# Altium PCB DSP_FPGA.PcbDoc (part 2 of 7)
Units mm, origin at the board's own origin, x right, y up, seen from the top; angles counter-clockwise.
Board outline 243.59 x 170.13 mm, 2 copper layers (Top Layer, Bottom Layer); 649 components, 606 nets, 2327 pads, 2753 vias.
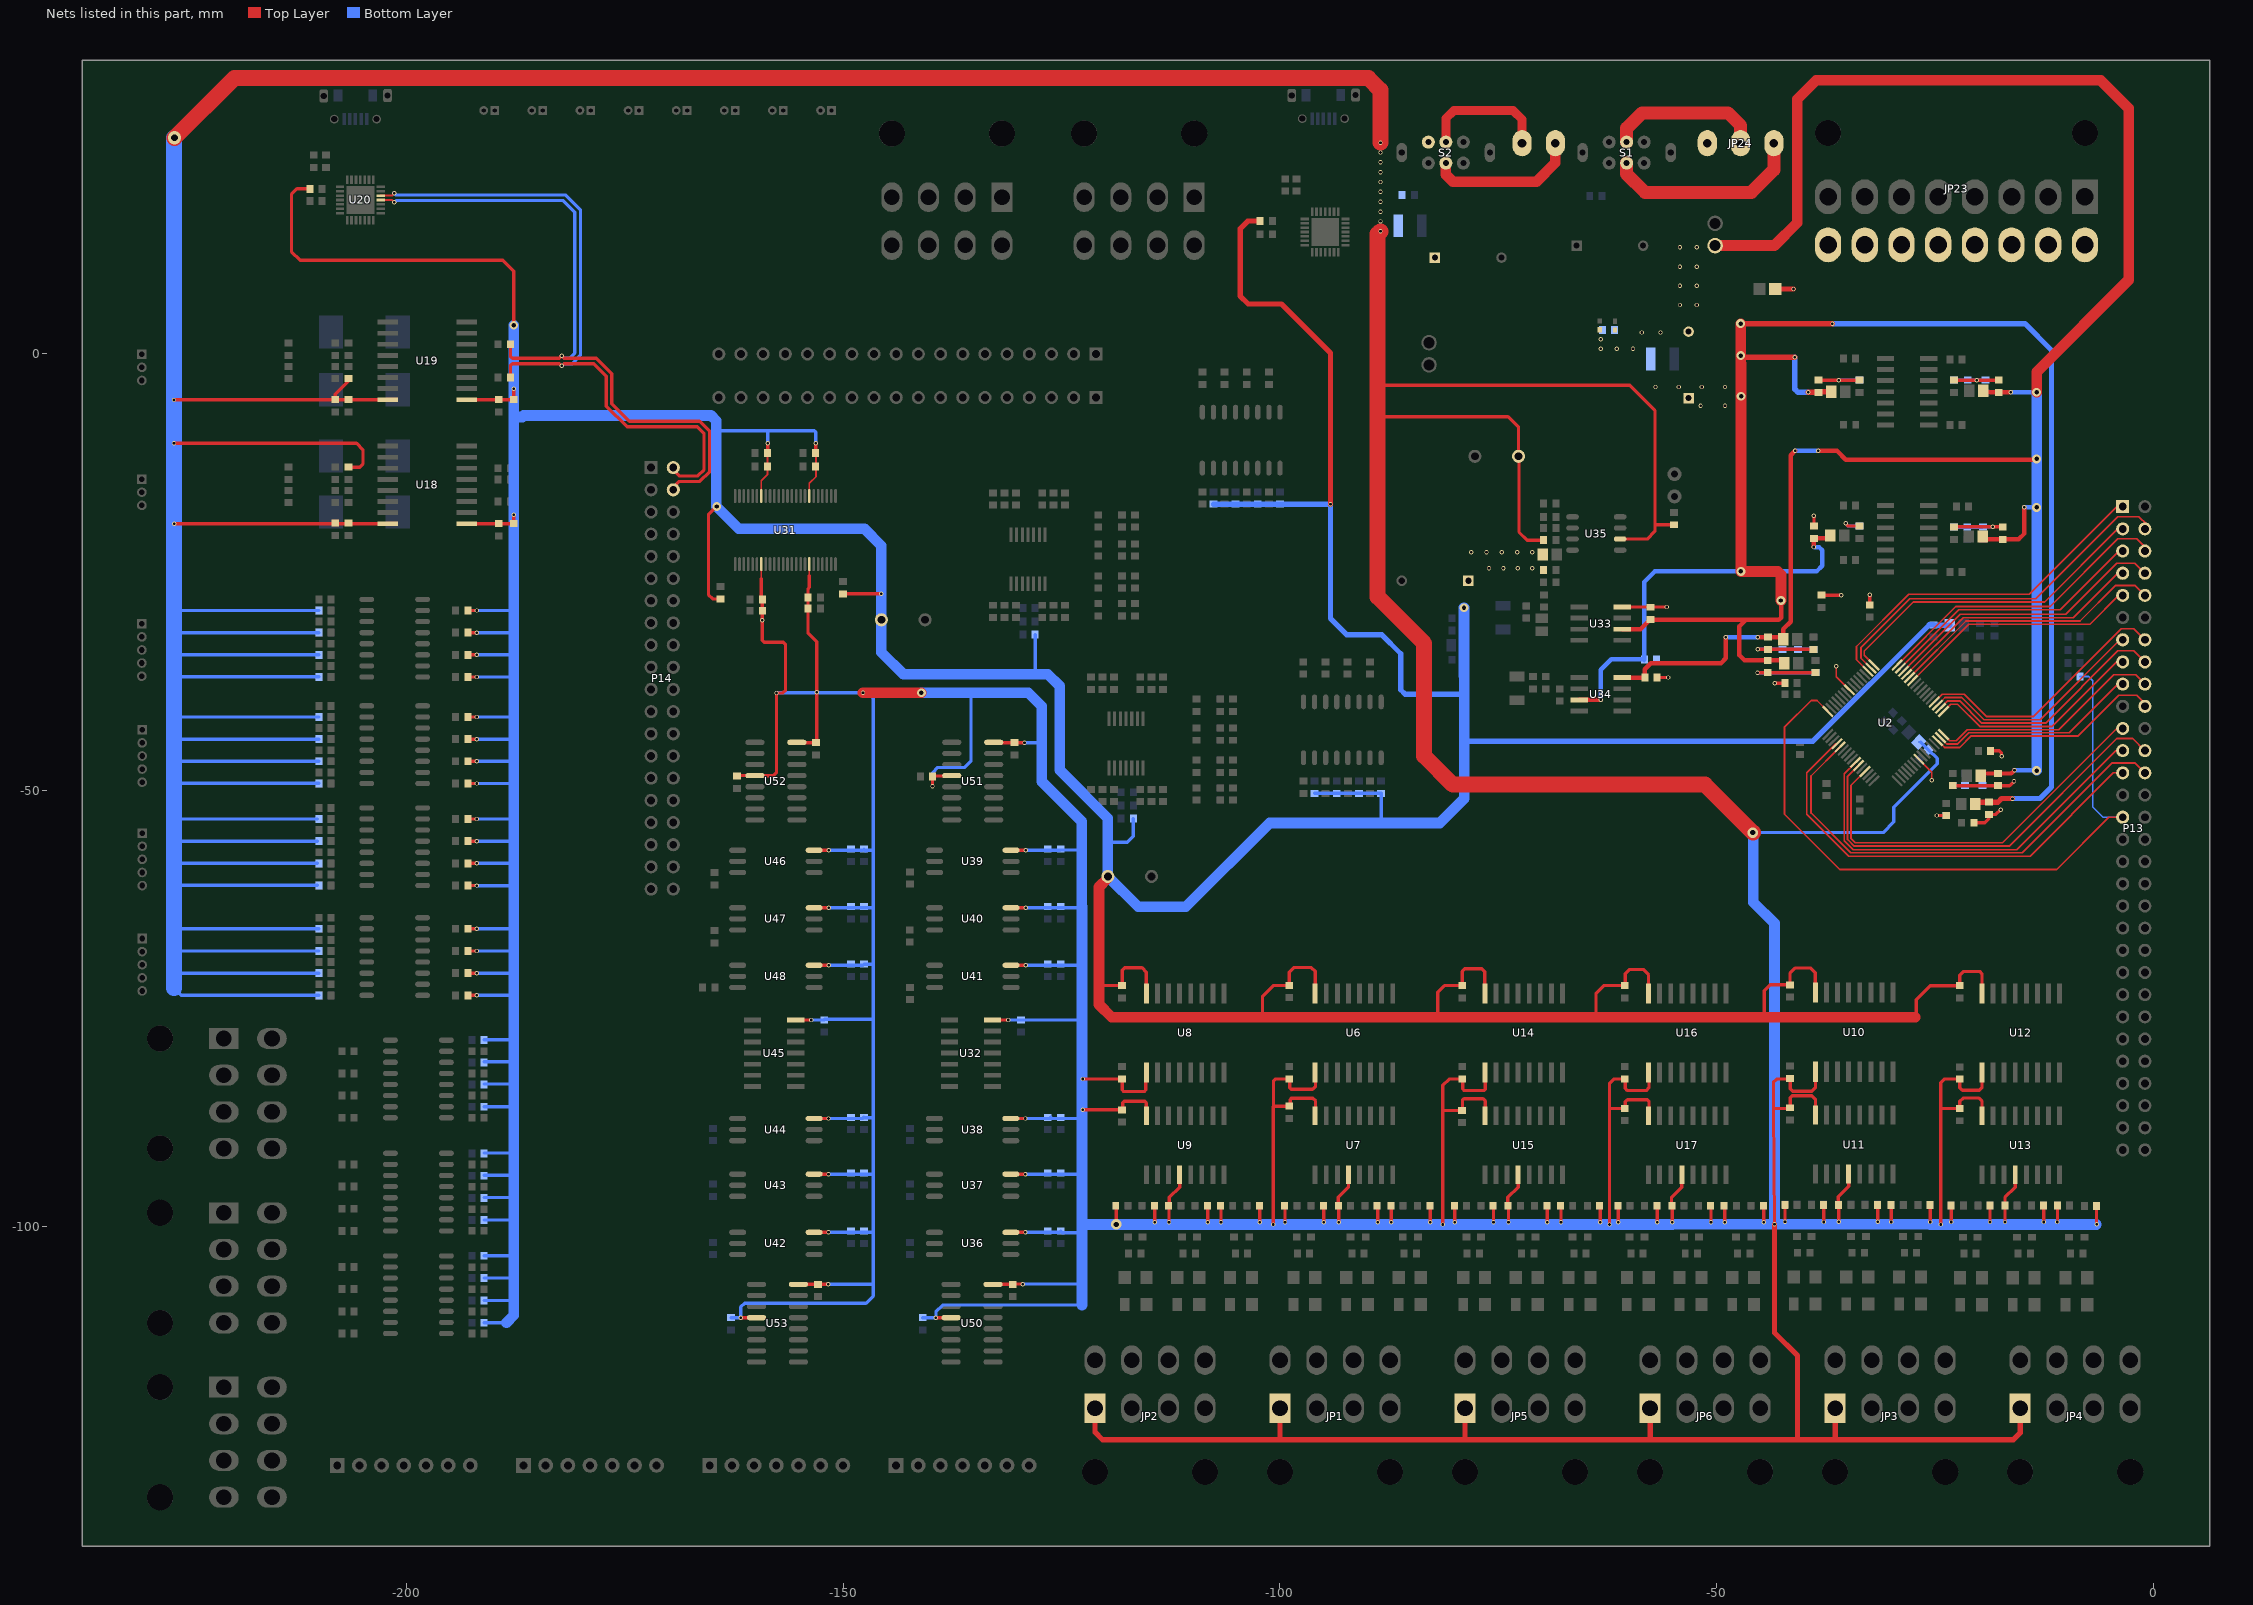
[diagram p2: the nets of this part, all layers, seen from the top]

## Footprints (in the part's own frame and the unit in brackets; to place one, negate y for a bottom-side part, rotate by r counter-clockwise, add the part's x,y. Pads: shape width x height; smd on the part's side, far side on the other; paste and mask are expansions set on the pad) (continued)
C0805 [mm] "Chip Capacitor, Body 2.0x1.3mm, IPC High Density"
  rect 1.1x1.4 smd: 1(-0.75,0) 2(0.75,0)
  body extent -1.1,-0.72 1.1,0.72, height 1.4
C1206 [mm] "Chip Capacitor, Body 3.2x1.6mm, IPC High Density"
  rect 1.1x1.7 smd: 1(-1.35,0) 2(1.35,0)
  silkscreen extent -0.4,-0.75 0.4,0.75, body extent -1.7,-0.9 1.7,0.9, height 1.3
C2512 [mm] "Chip Capacitor, Body 2.54x1.27mm, IPC High Density"
  rect 1.4x1.4 smd: 1(-0.9,0) 2(0.9,0)
  silkscreen extent -1.9,-0.6 -1.9,0.6, body extent -1.45,-0.82 1.45,0.82, height 1.3
CD74HC14_SOIC [mil]
  rect 78x22 smd: 1(-97,150) 2(-97,100) 3(-97,50) 4(-97,0) 5(-97,-50) 6(-97,-100) 7(-97,-150) 8(97,-150) 9(97,-100) 10(97,-50) 11(97,0) 12(97,50) 13(97,100) 14(97,150)
  silkscreen extent -51,-172 156,172, body extent -122,-172 122,172, height 69
CONNECTOR5569R [mm] "长：4.25mm，宽：1.8mm，高：3.3mm"
  rect 2.4x3.4 hole 1.8: 1(0,0)
  oval 2.4x3.4 hole 1.8: 2(0,5.5) 3(4.2,0) 4(4.2,5.5) 5(8.4,0) 6(8.4,5.5) 7(12.6,0) 8(12.6,5.5)
  round 3 hole 3 unplated: ""(0,-7.3) ""(12.6,-7.3)
  silkscreen extent -2.8,-14.08 15.4,8.7, body extent -2.82,-13.84 15.58,6.09, height 11.4
CONNECTOR558916PIN [mm] "长：9.0，宽：4.5，高：3.6"
  rect 3x4 hole 2: 1(0,0)
  oval 3x4 hole 2: 2(0,5.5) 3(4.2,0) 4(4.2,5.5) 5(8.4,0) 6(8.4,5.5) 7(12.6,0) 8(12.6,5.5) 9(16.8,0) 10(16.8,5.5) 11(21,0) 12(21,5.5) 13(25.2,0) 14(25.2,5.5) 15(29.4,0) 16(29.4,5.5)
  round 3 hole 3 unplated: ""(0,-7.3) ""(29.4,-7.3)
  silkscreen extent -2.8,-14.29 32.2,8.75, body extent -2.8,-13.88 32.4,6.05, height 11.4
CP2102_QFN28 [mil]
  rect 38x12 smd mask+5: 1(-91.5,59.06) 2(-91.5,39.37) 3(-91.5,19.69) 4(-91.5,0) 5(-91.5,-19.69) 6(-91.5,-39.37) 7(-91.5,-59.06) 15(91.5,-59.06) 16(91.5,-39.37) 17(91.5,-19.69) 18(91.5,0) 19(91.5,19.69) 20(91.5,39.37) 21(91.5,59.06)
  rect 12x38 smd mask+5: 8(-59.06,-91.5) 9(-39.37,-91.5) 10(-19.69,-91.5) 11(0,-91.5) 12(19.69,-91.5) 13(39.37,-91.5) 14(59.06,-91.5) 22(59.06,91.5) 23(39.37,91.5) 24(19.69,91.5) 25(0,91.5) 26(-19.69,91.5) 27(-39.37,91.5) 28(-59.06,91.5)
  rect 125.98x125.98 smd mask-65.5: 29(0,0)
  silkscreen extent -99,-130 99,99, body extent -101,-101 101,101, height 37
D016_N [mm] "SOIC, 16-Leads, Body 9.9x3.9mm, Pitch 1.27mm, IPC Medium Density"
  oval 2.2x0.6 smd: 1(-2.4,4.445) 2(-2.4,3.175) 3(-2.4,1.905) 4(-2.4,0.635) 5(-2.4,-0.635) 6(-2.4,-1.905) 7(-2.4,-3.175) 8(-2.4,-4.445) 9(2.4,-4.445) 10(2.4,-3.175) 11(2.4,-1.905) 12(2.4,-0.635) 13(2.4,0.635) 14(2.4,1.905) 15(2.4,3.175) 16(2.4,4.445)
  silkscreen extent -2.52,-5 0.9,5.42, body extent -2,-5 2,5, height 1.75
DAC8728 [mil]
  rect 65.5x11 smd: 1(46.75,413.64) 2(46.75,393.95) 3(46.75,374.27) 4(46.75,354.58) 5(46.75,334.9) 6(46.75,315.21) 7(46.75,295.53) 8(46.75,275.84) 9(46.75,256.16) 10(46.75,236.47) 11(46.75,216.79) 12(46.75,197.1) 13(46.75,177.42) 14(46.75,157.73) 15(46.75,138.05) 16(46.75,118.36) 33(489.25,118.36) 34(489.25,138.05) 35(489.25,157.73) 36(489.25,177.42) 37(489.25,197.1) 38(489.25,216.79) 39(489.25,236.47) 40(489.25,256.16) 41(489.25,275.84) 42(489.25,295.53) 43(489.25,315.21) 44(489.25,334.9) 45(489.25,354.58) 46(489.25,374.27) 47(489.25,393.95) 48(489.25,413.64)
  rect 11x65.5 smd: 17(120.36,44.75) 18(140.05,44.75) 19(159.73,44.75) 20(179.42,44.75) 21(199.1,44.75) 22(218.79,44.75) 23(238.47,44.75) 24(258.16,44.75) 25(277.84,44.75) 26(297.53,44.75) 27(317.21,44.75) 28(336.9,44.75) 29(356.58,44.75) 30(376.27,44.75) 31(395.95,44.75) 32(415.64,44.75) 49(415.64,487.25) 50(395.95,487.25) 51(376.27,487.25) 52(356.58,487.25) 53(336.9,487.25) 54(317.21,487.25) 55(297.53,487.25) 56(277.84,487.25) 57(258.16,487.25) 58(238.47,487.25) 59(218.79,487.25) 60(199.1,487.25) 61(179.42,487.25) 62(159.73,487.25) 63(140.05,487.25) 64(120.36,487.25)
  silkscreen extent -6,-8 542,540, body extent 28,26 508,506, height 47
DIODE_SMC [mil] "Diode; 2 Leads"
  rect 110x150 smd: 1(-150,0) 2(150,0)
  silkscreen extent -130,-120 150,120
HDR1X18 [mm] "Connector; Header; 18 Position"
  rect 1.5x1.5 hole 0.9: 1(0,0)
  round 1.5 hole 0.9: 2(2.54,0) 3(5.08,0) 4(7.62,0) 5(10.16,0) 6(12.7,0) 7(15.24,0) 8(17.78,0) 9(20.32,0) 10(22.86,0) 11(25.4,0) 12(27.94,0) 13(30.48,0) 14(33.02,0) 15(35.56,0) 16(38.1,0) 17(40.64,0) 18(43.18,0)
  silkscreen extent -1.27,-1.27 44.45,1.27
HDR2X20 [mm] "Connector; Header; 20x2 Position"
  rect 1.5x1.5 hole 0.9: 1(0,0)
  round 1.5 hole 0.9: 2(0,2.54) 3(2.54,0) 4(2.54,2.54) 5(5.08,0) 6(5.08,2.54) 7(7.62,0) 8(7.62,2.54) 9(10.16,0) 10(10.16,2.54) 11(12.7,0) 12(12.7,2.54) 13(15.24,0) 14(15.24,2.54) 15(17.78,0) 16(17.78,2.54) 17(20.32,0) 18(20.32,2.54) 19(22.86,0) 20(22.86,2.54) 21(25.4,0) 22(25.4,2.54) 23(27.94,0) 24(27.94,2.54) 25(30.48,0) 26(30.48,2.54) 27(33.02,0) 28(33.02,2.54) 29(35.56,0) 30(35.56,2.54) 31(38.1,0) 32(38.1,2.54) 33(40.64,0) 34(40.64,2.54) 35(43.18,0) 36(43.18,2.54) 37(45.72,0) 38(45.72,2.54) 39(48.26,0) 40(48.26,2.54)
  silkscreen extent -1.27,-1.27 49.53,3.81
HDR2X30 [mm] "Connector; Header; 30x2 Position"
  rect 1.5x1.5 hole 0.9: 1(0,0)
  round 1.5 hole 0.9: 2(0,2.54) 3(2.54,0) 4(2.54,2.54) 5(5.08,0) 6(5.08,2.54) 7(7.62,0) 8(7.62,2.54) 9(10.16,0) 10(10.16,2.54) 11(12.7,0) 12(12.7,2.54) 13(15.24,0) 14(15.24,2.54) 15(17.78,0) 16(17.78,2.54) 17(20.32,0) 18(20.32,2.54) 19(22.86,0) 20(22.86,2.54) 21(25.4,0) 22(25.4,2.54) 23(27.94,0) 24(27.94,2.54) 25(30.48,0) 26(30.48,2.54) 27(33.02,0) 28(33.02,2.54) 29(35.56,0) 30(35.56,2.54) 31(38.1,0) 32(38.1,2.54) 33(40.64,0) 34(40.64,2.54) 35(43.18,0) 36(43.18,2.54) 37(45.72,0) 38(45.72,2.54) 39(48.26,0) 40(48.26,2.54) 41(50.8,0) 42(50.8,2.54) 43(53.34,0) 44(53.34,2.54) 45(55.88,0) 46(55.88,2.54) 47(58.42,0) 48(58.42,2.54) 49(60.96,0) 50(60.96,2.54) 51(63.5,0) 52(63.5,2.54) 53(66.04,0) 54(66.04,2.54) 55(68.58,0) 56(68.58,2.54) 57(71.12,0) 58(71.12,2.54) 59(73.66,0) 60(73.66,2.54)
  silkscreen extent -1.27,-1.27 75.06,3.81
ISO1050_SOIC [mil]
  rect 91x22 smd: 1(-178,175) 2(-178,125) 3(-178,75) 4(-178,25) 5(-178,-25) 6(-178,-75) 7(-178,-125) 8(-178,-175) 9(178,-175) 10(178,-125) 11(178,-75) 12(178,-25) 13(178,25) 14(178,75) 15(178,125) 16(178,175)
  silkscreen extent -150,-207 244,207, body extent -210,-207 210,207, height 104
ISO3082_SOIC [mil]
  rect 91x22 smd: 1(-178,175) 2(-178,125) 3(-178,75) 4(-178,25) 5(-178,-25) 6(-178,-75) 7(-178,-125) 8(-178,-175) 9(178,-175) 10(178,-125) 11(178,-75) 12(178,-25) 13(178,25) 14(178,75) 15(178,125) 16(178,175)
  silkscreen extent -150,-207 244,207, body extent -210,-207 210,207, height 104
KF128-3.81-2P [mm] "螺钉式接线端子，脚距3.81mm"
  oval 2.2x3 hole 1: 1(-1.905,0) 2(1.905,0)
  silkscreen extent -4.32,-4.04 3.81,3.63, body extent -4.31,-3.9 3.81,3.5, height 8.55
KF128-3.81-3P [mm] "螺钉式接线端子，脚距3.81mm"
  oval 2.2x3 hole 1: 1(-3.81,0) 2(0,0) 3(3.81,0)
  silkscreen extent -6.22,-4.04 5.74,3.63, body extent -6.21,-3.9 5.72,3.5, height 8.55
LED-0 [mil] "LED; 2 Leads"
  round 70 hole 50: 1(50,0) 2(-50,0)
  silkscreen extent -120,-400 120,150
LED-1 [mm] "LED; 2 Leads"
  round 1.6 hole 0.8: 1(0,1.27) 2(0,-1.27)
  silkscreen extent -2,-2.2 6.95,2.2
MICRO-USB-B [mm] "MICRO-USB-B"
  rect 0.4x1.4 smd: 1(6.519,1.27) 2(5.869,1.27) 3(5.219,1.27) 4(4.569,1.27) 5(3.919,1.27)
  rrect50% 1x1.5 hole 0.7 slot 1.1 at 90 deg: ""(1.543,3.971) ""(8.844,3.92)
  round 1 hole 0.7: ""(2.794,1.27) ""(7.644,1.27)
  rect 1x1.4 smd: ""(3.226,3.988) ""(7.214,3.962)
  silkscreen extent 0.64,0.27 9.78,5.36, body extent 1.11,1.12 9.31,6.55, height 2.73
"MX 1.25-WI-2P" [mm] "长：4.25mm，宽：1.8mm，高：3.3mm"
  rect 1x1 hole 0.5: 1(-0.625,0)
  round 1 hole 0.5: 2(0.625,0)
  silkscreen extent -2.24,-4.19 2.24,0.85, body extent -2.12,-4.05 2.12,0.85, height 3.35
OPA277 [mil] "SOIC, 16-Leads, Body 9.9x3.9mm, Pitch 1.27mm, IPC Medium Density"
  rect 78x22 smd: 1(-97,75) 2(-97,25) 3(-97,-25) 4(-97,-75) 5(97,-75) 6(97,-25) 7(97,25) 8(97,75)
  silkscreen extent -54,-98 54,98, body extent -122,-99 122,99, height 69
OPA4277_SOIC [mil]
  rect 78x22 smd: 1(-97,150) 2(-97,100) 3(-97,50) 4(-97,0) 5(-97,-50) 6(-97,-100) 7(-97,-150) 8(97,-150) 9(97,-100) 10(97,-50) 11(97,0) 12(97,50) 13(97,100) 14(97,150)
  silkscreen extent -51,-172 156,172, body extent -122,-172 122,172, height 69
OPA4376_TSSOP [mil]
  rect 66x14 smd: 1(-111,76.77) 2(-111,51.18) 3(-111,25.59) 4(-111,0) 5(-111,-25.59) 6(-111,-51.18) 7(-111,-76.77) 8(111,-76.77) 9(111,-51.18) 10(111,-25.59) 11(111,0) 12(111,25.59) 13(111,51.18) 14(111,76.77)
  silkscreen extent -88,-100 164,100, body extent -130,-101 130,101, height 47
RB5-10.5 [mm] "Capacitor (Radial); 2 Leads"
  round 1.5 hole 0.9: 1(-2.5,0) 2(2.5,0)
  silkscreen extent -5.25,-5.25 5.25,5.25
RB7.6-15 [mm] "Polarized Capacitor (Radial); 2 Leads"
  rect 1.2x1.2 hole 0.7: 1(3.81,0)
  round 1.2 hole 0.7: 2(-3.81,0)
  silkscreen extent -7.62,-7.62 7.62,7.62
REF02_D_8 [mil]
  rect 78x22 smd: 1(-97,75) 2(-97,25) 3(-97,-25) 4(-97,-75) 5(97,-75) 6(97,-25) 7(97,25) 8(97,75)
  silkscreen extent -54,-98 54,98, body extent -122,-99 122,99, height 69
SK-22D02 [mm] "10.4x6.1x4.2mm(长宽高)，脚距：2mm"
  oval 1.2x2.2 hole 0.7 slot 1.5 at 90 deg: 0(-5.05,0) 0(5.05,0)
  round 1.5 hole 0.7: 1(-2,-1.2) 2(0,-1.2) 3(2,-1.2) 4(2,1.2) 5(0,1.2) 6(-2,1.2)
  silkscreen extent -5.33,-8 5.33,3.18, body extent -5.27,-7.96 5.25,3.05, height 5.59
SN74LVC16T245_TSSOP [mm]
  oval 1.6x0.3 smd paste+0 mask+0.051: 1(-3.9,5.75) 2(-3.9,5.25) 3(-3.9,4.75) 4(-3.9,4.25) 5(-3.9,3.75) 6(-3.9,3.25) 7(-3.9,2.75) 8(-3.9,2.25) 9(-3.9,1.75) 10(-3.9,1.25) 11(-3.9,0.75) 12(-3.9,0.25) 13(-3.9,-0.25) 14(-3.9,-0.75) 15(-3.9,-1.25) 16(-3.9,-1.75) 17(-3.9,-2.25) 18(-3.9,-2.75) 19(-3.9,-3.25) 20(-3.9,-3.75) 21(-3.9,-4.25) 22(-3.9,-4.75) 23(-3.9,-5.25) 24(-3.9,-5.75) 25(3.9,-5.75) 26(3.9,-5.25) 27(3.9,-4.75) 28(3.9,-4.25) 29(3.9,-3.75) 30(3.9,-3.25) 31(3.9,-2.75) 32(3.9,-2.25) 33(3.9,-1.75) 34(3.9,-1.25) 35(3.9,-0.75) 36(3.9,-0.25) 37(3.9,0.25) 38(3.9,0.75) 39(3.9,1.25) 40(3.9,1.75) 41(3.9,2.25) 42(3.9,2.75) 43(3.9,3.25) 44(3.9,3.75) 45(3.9,4.25) 46(3.9,4.75) 47(3.9,5.25) 48(3.9,5.75)
  silkscreen extent -4.5,-6.3 2.25,6.3, body extent -4.09,-6.25 4.04,6.25, height 1.1
TLP284-4 [mm]
  oval 1.7x0.6 smd: 1(-3.225,4.47) 2(-3.225,3.2) 3(-3.225,1.93) 4(-3.225,0.66) 5(-3.225,-0.61) 6(-3.225,-1.88) 7(-3.225,-3.15) 8(-3.225,-4.42) 9(3.175,-4.42) 10(3.175,-3.15) 11(3.175,-1.88) 12(3.175,-0.61) 13(3.175,0.66) 14(3.175,1.93) 15(3.175,3.2) 16(3.175,4.47)
  silkscreen extent -3.35,-5.27 1.92,5.45, body extent -2.38,-5.27 2.32,5.33, height 2.1
XH2.54-WI-7P [mm] "接插件，7P"
  rect 1.7x1.7 hole 0.9: 1(-7.62,0)
  round 1.7 hole 0.9: 2(-5.08,0) 3(-2.54,0) 4(0,0) 5(2.54,0) 6(5.08,0) 7(7.62,0)
  silkscreen extent -10.34,-7.53 10.16,0, body extent -10.12,-7.35 10.12,0.35, height 5.75
ZH1.5-WI-3P [mm] "长：6.0，宽：4.5，高：3.6"
  rect 1.1x1.1 hole 0.65: 1(-1.5,0)
  round 1.1 hole 0.65: 2(0,0) 3(1.5,0)
  silkscreen extent -3,-4.75 3,-0.25, body extent -3,-4.75 3,0.25, height 3.65
ZH1.5-WI-5P [mm] "长：9.0，宽：4.5，高：3.6"
  rect 1.1x1.1 hole 0.65: 1(-3,0)
  round 1.1 hole 0.65: 2(-1.5,0) 3(0,0) 4(1.5,0) 5(3,0)
  silkscreen extent -4.5,-4.75 4.5,-0.25, body extent -4.5,-4.75 4.5,0.25, height 3.65

## Part data
C1 C2 C3 C4 C5 C6 C7 C8 C9 C10 C11 C12 C13 C14 C15 C16 C17 C18 C19 C20 C21 C22 C23 C24 C25 C26 C27 C28 C29 C30 C31 C32 C33 C34 C35 C36 C37 C38 C39 C40 C41 C42 C43 C44 C45 C46 C47 C48 C49 C50 C51 C52 C53 C54 C55 C56 C57 C58 C59 C60 C61 C62 C63 C64 C65 C66 C67 C68 C69 C70 C71 C72 C73 C74 C75 C76 C77 C78 C79 C80 C81 C82 C83 C84 C85 C86 C87 C88 C89 C90 C91 C92 C93 C94 C95 C96 C97 C98 C99 C100 C101 C102 C103 C105 C106 C107 C108 C109 C110 C111 C112 C113 C114 C115 C116 C117 C118 C119 C120 C121 C122 C123 C124 C125 C126 C127 C128 C129 C130 C131 C132 C133 C134 C135 C136 C137 C140 C141 C143 C150 C151 C152 C153 C154 C155 C156 C157 C158 C160 C161 C162 C163 C164 C166 C167 C168 C169 C170 C171 C172 C173 C174 C175 C176 C177 C178 C179 C180 C181 C182 C183 C184 C185 C186 C187 C191 C192 C193 C196 C198 C201 C203 C206 C207: "Capacitor", LatestRevisionDate=17-Jul-2002, LatestRevisionNote="Re-released for DXP Platform.", PackageDescription="Radial Cap, Thru-Hole; 2 Leads; 0.3 in Pin Spacing", PackageReference=RAD-0.3, Published=8-Jun-2000, Publisher="Altium Limited"
C104 U52: library part ADUM1410ARWZ
C138 C139 C142 C159 C165 C189 C190: "Polarized Capacitor (Radial)", Published=8-Jun-2000, Publisher="Altium Limited"
  C138 C139 C142: LatestRevisionDate=29-May-2009, LatestRevisionNote="IPC-7351 Footprint Added.", PackageDescription="Chip Capacitor", PackageReference=C0805
  C159 C165 C189 C190: LatestRevisionDate=17-Jul-2002, LatestRevisionNote="Re-released for DXP Platform.", PackageDescription="Polarized Capacitor (Radial); 2 Leads", PackageReference=RB7.6-15
D1 D2 D3 D4: library part MMSZ56T1, "Surface Mount Silicon Zener Diode", ComponentLink1Description="Manufacturer Link", ComponentLink1URL=http://www.onsemi.com/site/products/landing?taxonomyID=194, ComponentLink2Description=Datasheet, ComponentLink2URL=http://www.onsemi.com/pub/Collateral/MMSZ2V4T1-D.PDF, LatestRevisionDate=19-Mar-2004, LatestRevisionNote="Silkscreen size reduced; PCB footprint pad transposed.", PackageDescription="SOD-123; 2 Leads; Body 2.7 x 1.6 mm, (LxW)", PackageReference=425, PackageVersion=1988, Published=29-Sep-2000, Publisher="Altium Limited"
D5: library part LED3, "Typical BLUE SiC LED", DatasheetVersion=16-Apr-2002, LatestRevisionDate=17-Dec-2003, LatestRevisionNote="PCB Footprint replaced.", PackageDescription="SM LED; 2 C-Bend Leads; Body 3.5 x 2.8 x 1.9 mm, inc leads (LxWxH typ)", PackageReference=3.5X2.8X1.9, PackageVersion=16-Apr-2002, Published=8-Jun-2000, Publisher="Altium Limited"
D6 D7: "Typical INFRARED GaAs LED", LatestRevisionDate=08-Jul-2005, LatestRevisionNote="Mech Layer 1 removed.", PackageDescription="LED; 2 Leads", PackageReference=LED-0, Published=8-Jun-2000, Publisher="Altium Limited"
JP1 JP2 JP3 JP4 JP5 JP6: "4*2P接插件"
JP7 JP8 JP9 JP10: library part "Header 5", "5P接插件"
JP11 JP12 JP24: library part "Header 3", "3P接插件"
JP13 JP14 JP25 JP26: library part "Header 7", "7P接插件"
JP15 JP16 JP17 JP18 JP19 JP20 JP21 JP22 JP27: library part "Header 2", "2P接插件"
JP23: "8*2P接插件"
L24 R120 R121 R122 U14 U15: library part Cap, "Capacitor", LatestRevisionDate=17-Jul-2002, LatestRevisionNote="Re-released for DXP Platform.", PackageDescription="Radial Cap, Thru-Hole; 2 Leads; 0.3 in Pin Spacing", PackageReference=RAD-0.3, Published=8-Jun-2000, Publisher="Altium Limited"
L33: library part ACM3225-601-2P
P11 P12: "Header, 18-Pin", LatestRevisionDate=17-Jul-2002, LatestRevisionNote="Re-released for DXP Platform.", Publisher="Altium Limited"
P13: "Header, 30-Pin, Dual row", LatestRevisionDate=17-Jul-2002, LatestRevisionNote="Re-released for DXP Platform.", Publisher="Altium Limited"
P14: "Header, 20-Pin, Dual row", LatestRevisionDate=17-Jul-2002, LatestRevisionNote="Re-released for DXP Platform.", Publisher="Altium Limited"
P17 P22 P26 P31 P33: "Header, 8-Pin", LatestRevisionDate=17-Jul-2002, LatestRevisionNote="Re-released for DXP Platform.", Publisher="Altium Limited"
R1 R2 R3 R4 R5 R6 R7 R8 R9 R10 R11 R12 R13 R14 R15 R16 R17 R18 R19 R20 R21 R22 R23 R24 R25 R26 R27 R28 R29 R30 R31 R32 R33 R34 R35 R36 R37 R38 R39 R40 R41 R42 R43 R44 R45 R46 R47 R48 R49 R50 R51 R52 R53 R54 R55 R56 R57 R58 R59 R60 R61 R62 R63 R64 R65 R66 R67 R68 R69 R70 R71 R72 R73 R74 R75 R76 R77 R78 R79 R80 R81 R82 R83 R84 R85 R86 R87 R88 R89 R90 R91 R92 R93 R94 R95 R96 R97 R98 R99 R100 R101 R102 R103 R104 R105 R106 R107 R108 R109 R110 R111 R112 R113 R114 R115 R116 R117 R118 R119 R123 R124 R125 R126 R127 R128 R129 R130 R131 R132 R133 R134 R135 R136 R137 R138 R139 R140 R141 R142 R143 R144 R145 R146 R147 R148 R149 R150 R151 R152 R153 R154 R155 R156 R157 R158 R159 R160 R161 R162 R163 R164 R165 R166 R167 R168 R169 R170 R171 R172 R173 R174 R175 R176 R177 R178 R179 R180 R181 R182 R183 R184 R185 R186 R187 R188 R189 R190 R191 R192 R193 R194 R195 R196 R197 R198 R199 R200 R201 R202 R203 R204 R205 R206 R207 R208 R209 R210 R211 R212 R213 R214 R215 R216 R217 R218 R219 R220 R221 R222 R223 R224 R225 R226 R227 R228 R229 R230 R231 R232 R233 R234 R235 R236 R237 R238 R239 R240 R241 R242 R243 R244 R245 R246 R247 R248 R249 R250 R251 R252 R253 R254 R255 R256 R257 R258 R259 R260 R261 R262 R263 R264 R265 R266 R267 R268 R269 R270 R271 R272 R273 R274 R275 R276 R277 R278 R279 R280 R281 R282 R283 R284 R285 R286 R287 R288 R289 R290 R291 R295 R296 R297 R298 R299 R300 R301 R302 R303 R304 R305 R306 R307 R308 R309 R310 R311 R312 R313 R314 R315 R316 R317 R318 R319 R320 R321 R322 R323 R324 R325 R326 R327 R328 R329 R330: "Resistor", LatestRevisionDate=17-Jul-2002, LatestRevisionNote="Re-released for DXP Platform.", PackageDescription="Axial Device, Thru-Hole; 2 Leads; 0.3 in Pin Spacing", PackageReference=AXIAL-0.3, Published=8-Jun-2000, Publisher="Altium Limited"
S1 S2: library part SSW-2P, "2路波动开关"
U4 U5: Manufacturer="Texas Instruments", Manufacturer_Part_Number=opa4376_pw_14, PACKAGE_DESIGNATOR=PW, Datasheet_URL=http://www.ti.com/lit/gpn/OPA4376, FAMILY_NAME="LOW OFFSET VOLTAGE", GENERIC_PART_NUMBER=OPA4376, INDUSTRY_STD_PKG_TYPE=TSSOP, PIN_COUNT=14, RefDes=RefDes, Type=Type, Vendor="Texas Instruments"
U18: Manufacturer="Texas Instruments", Manufacturer_Part_Number=iso3082_dw_16, PACKAGE_DESIGNATOR=DW, Datasheet_URL=http://www.ti.com/lit/gpn/ISO3082, FAMILY_NAME=ISOLATOR, GENERIC_PART_NUMBER=ISO3082, INDUSTRY_STD_PKG_TYPE=SOIC, PIN_COUNT=16, RefDes=RefDes, Type=Type, Vendor="Texas Instruments"
U19: Manufacturer="Texas Instruments", Manufacturer_Part_Number=iso1050_dw_16, PACKAGE_DESIGNATOR=DW, Datasheet_URL=http://www.ti.com/lit/gpn/ISO1050, FAMILY_NAME=ISOLATOR, GENERIC_PART_NUMBER=ISO1050, INDUSTRY_STD_PKG_TYPE=SOIC, PIN_COUNT=16, RefDes=RefDes, Type=Type, Vendor="Texas Instruments"
U31: library part SN74LVC16T245_A
U32 U45: Manufacturer="Texas Instruments", PACKAGE_DESIGNATOR=D, Datasheet_URL=http://www.ti.com/lit/gpn/CD74HC14, FAMILY_NAME="INVERTING BUFFER/DRIVER", GENERIC_PART_NUMBER=CD74HC14, INDUSTRY_STD_PKG_TYPE=SOIC, PIN_COUNT=14, RefDes=RefDes, Type=Type
U33: Manufacturer="Texas Instruments", Manufacturer_Part_Number=ref02_d_8, PACKAGE_DESIGNATOR=D, Datasheet_URL=http://www.ti.com/lit/gpn/REF02, FAMILY_NAME="SERIES VOLTAGE REFERENCE", GENERIC_PART_NUMBER=REF02, INDUSTRY_STD_PKG_TYPE=SOIC, PIN_COUNT=8, RefDes=RefDes, Type=Type, Vendor="Texas Instruments"
U34: Manufacturer="Texas Instruments", Manufacturer_Part_Number=opa277_d_8, PACKAGE_DESIGNATOR=D, Datasheet_URL=http://www.ti.com/lit/gpn/OPA277, FAMILY_NAME="LOW OFFSET VOLTAGE", GENERIC_PART_NUMBER=OPA277, INDUSTRY_STD_PKG_TYPE=SOIC, PIN_COUNT=8, RefDes=RefDes, Type=Type, Vendor="Texas Instruments"
U50 U51: "Quadruple Differential Line Driver", Code_IPC=SOIC127P600-16, ComponentLink1Description="Manufacturer Link", ComponentLink1URL=http://www.ti.com/, ComponentLink2Description=Datasheet, ComponentLink2URL=http://www-s.ti.com/sc/ds/am26ls31.pdf, DatasheetVersion=May-1990, LatestRevisionDate=13-Apr-2006, LatestRevisionNote="IPC-7351 Footprint Added.", PackageDescription="16-Pin Small Outline Integrated Circuit 1.27 mm Pitch", PackageReference=D016, PackageVersion=Jan-1998, Published=15-May-2002, Publisher="Altium Limited"
U53: library part AM26LS32AC
L1 L2 L3 L4 L5 L6 L7 L8 L9 L10 L29 L30: Code_IEC=1005, Code_JEITA=0402, LatestRevisionDate=29-May-2009, LatestRevisionNote="IPC-7351 Footprint Added.", PackageDescription="Chip Inductor", PackageReference=0402-A, Published=8-Jun-2000, Publisher="Altium Limited"
U20 U21: MFG_#1="SILICON LABS", PART_DESC="SINGLE-CHIP USB TO UART BRIDGE, QFN28, RoHS.", PART_NUMBER=CP2102, RefDes=RefDes, Type=Type

## Via types
v1: diameter 0.5, hole 0.3, Top Layer to Bottom Layer, tented both sides, 2737 vias
v2: diameter 1.016, hole 0.508, Top Layer to Bottom Layer, tented both sides, 9 vias
v3: diameter 1, hole 0.5, Top Layer to Bottom Layer, tented both sides, 4 vias
v4: diameter 1.2, hole 0.6, Top Layer to Bottom Layer, tented both sides, 2 vias
v5: diameter 1.524, hole 0.762, Top Layer to Bottom Layer, tented both sides, 1 vias

## Nets (pads, with @x,y where several pads share a name; then routed paths per layer and width w, separated by ;. In a path a pad name is that pad's centre, name@x,y a point inside that pad or via, vN(x,y) a via of type N, cw(c..) or ccw(c..) an arc to the next point about the centre after c; other vN are vias at no path point)
+3.3V: C3.2 C69.2 C78.2 C87.2 C96.2 C105.2 C114.2 C122.2 C124.2 C128.2 C130.2 C159.1 C160.2 C161.2 C162.2 C163.2 C183.1 C185.1 C187.1 C189.1 C190.1 C193.1 L1.1 L33.2 R18.2 R39.2 R163.1 R165.1 R171.1 R174.1 R177.1 R180.1 R183.1 R186.1 R189.1 R192.1 R199.1 R202.1 R205.1 R208.1 R211.1 R214.1 R217.1 R220.1 R227.1 R230.1 R233.1 R236.1 R239.1 R242.1 R245.1 R248.1 R255.1 R258.1 R261.1 R264.1 R267.1 R270.1 R273.1 R276.1 R279.1 R282.1 R285.1 R288.1 R299.1 R320.2 R321.2 U6.16 U8.16 U10.16 U12.16 U14.16 U16.16 U18.1 U19.1 U31.31 U31.42 | length 872.2
  Top Layer w0.203: U31.42@-159.392,-16.306 -159.392,-14.574 -158.692,-13.874 C193.1@-158.692,-12.916 C187.1@-158.692,-11.392 ; U31.31@-153.892,-16.306 -153.892,-14.852 -153.124,-14.084 -153.124,-11.46 C183.1@-153.192,-11.392 ; v1@-145.645,-27.51 v1@-145.631,-27.495 ; -82.029,-75.997 -81.94,-75.908 ; -44.564,-75.946 -44.514,-75.997
  Top Layer w0.381: R163.1@-211.088,18.86 -212.56,18.86 -213.195,18.224 -213.195,11.684 -212.192,10.681 -188.976,10.681 -187.728,9.433 v3@-187.728,3.54 ; U18.1@-193.116,-19.482 C122.2@-189.459,-19.482 C124.2@-187.731,-19.482 v1@-187.731,-18.466 ; U19.1@-193.116,-5.283 C128.2@-189.459,-5.283 C130.2@-187.731,-5.283 v1@-187.731,-4.013 ; R255.1@-192.993,-73.482 v1@-191.977,-73.482 ; R258.1@-192.993,-70.942 v1@-191.977,-70.942 ; R261.1@-192.993,-68.402 v1@-191.977,-68.402 ; R264.1@-192.993,-65.862 v1@-191.977,-65.862 ; R227.1@-192.993,-60.909 v1@-191.977,-60.909 ; R230.1@-192.993,-58.369 v1@-191.977,-58.369 ; R233.1@-192.993,-55.829 v1@-191.977,-55.829 ; R236.1@-192.993,-53.289 v1@-191.977,-53.289 ; R199.1@-192.993,-49.225 v1@-191.977,-49.225 ; R202.1@-192.993,-46.685 v1@-191.977,-46.685 ; R205.1@-192.993,-44.145 v1@-191.977,-44.145 ; R208.1@-192.993,-41.605 v1@-191.977,-41.605 ; R171.1@-192.993,-37.033 v1@-191.977,-37.033 ; R174.1@-192.993,-34.493 v1@-191.977,-34.493 ; R177.1@-192.993,-31.953 v1@-191.977,-31.953 ; R180.1@-192.993,-29.413 v1@-191.977,-29.413 ; v3(-164.49,-17.501) -165.443,-18.453 -165.443,-27.584 -164.933,-28.094 R320.2@-164.059,-28.094 ; C187.1@-158.662,-11.392 v1@-158.662,-10.249 ; C183.1@-153.149,-11.392 v1@-153.149,-10.249 ; R321.2@-150.038,-27.51 v1@-145.645,-27.51 ; -120.726,-72.363 C78.2@-118.072,-72.363 -118.072,-70.599 -117.792,-70.32 -115.799,-70.32 -115.303,-70.815 U8.16@-115.303,-73.254 ; -102.006,-75.997 -102.006,-73.622 -100.731,-72.347 C69.2@-98.946,-72.347 -98.946,-70.828 -98.412,-70.294 -96.418,-70.294 -95.974,-70.739 U6.16@-95.974,-73.254 ; -81.94,-75.908 -81.94,-73.139 -81.164,-72.363 C105.2@-79.134,-72.363 -79.134,-70.752 -78.829,-70.447 -76.886,-70.447 -76.543,-70.79 U14.16@-76.543,-73.254 ; -63.805,-75.997 -63.805,-73.228 -62.94,-72.363 C114.2@-60.516,-72.363 -60.466,-72.363 -60.466,-71.011 -59.977,-70.523 -58.42,-70.523 -57.798,-71.145 U16.16@-57.798,-73.254 ; -44.564,-75.946 -44.564,-72.974 -43.877,-72.287 C87.2@-41.593,-72.287 -41.593,-70.917 -41.034,-70.358 -39.23,-70.358 -38.697,-70.891 U10.16@-38.697,-73.177 ; -27.248,-75.997 -27.14,-75.889 -27.14,-73.977 -25.538,-72.376 C96.2@-22.162,-72.376 -22.162,-71.183 -21.73,-70.752 -19.888,-70.752 -19.621,-71.018 U12.16@-19.621,-73.266
  Top Layer w0.61: C189.1@-119.71,-60.063 C189.1@-119.71,-59.868 ; R165.1@-102.275,15.173 -103.673,15.173 -104.559,14.287 -104.559,6.604 -103.632,5.677 -99.822,5.677 -94.221,0.076 v1(-94.221,-17.235)
  Top Layer w1.219: C189.1@-119.71,-60.063 -120.726,-61.079 -120.726,-72.363 -120.726,-74.524 -119.253,-75.997 -102.006,-75.997 -82.029,-75.997 -63.805,-75.997 -44.514,-75.997 -27.248,-75.997
  Bottom Layer w0.203: -128.027,-36.705 -128.016,-36.716 ; -79.059,-38.994 -78.915,-38.849
  Bottom Layer w0.254: -187.827,-73.485 -187.728,-73.584 ; -187.754,-105.842 -187.728,-105.816 ; -187.754,-103.302 -187.728,-103.276
  Bottom Layer w0.381: v1(-191.977,-73.485) -187.827,-73.485 ; v1(-191.977,-70.945) -187.827,-70.945 ; v1(-191.977,-68.405) -187.827,-68.405 ; v1@-191.977,-65.862 -187.827,-65.862 ; v1@-191.977,-60.915 -187.827,-60.915 ; v1@-191.977,-58.375 -187.827,-58.375 ; v1@-191.977,-55.835 -187.827,-55.835 ; v1(-191.977,-53.292) -187.827,-53.292 ; v1(-191.977,-49.228) -187.827,-49.228 ; v1(-191.977,-46.688) -187.827,-46.688 ; v1(-191.977,-44.148) -187.827,-44.148 ; v1@-191.977,-41.605 -187.827,-41.605 ; v1(-191.977,-37.036) -187.827,-37.036 ; v1(-191.977,-34.496) -187.827,-34.496 ; v1(-191.977,-31.956) -187.827,-31.956 ; v1@-191.977,-29.413 -187.827,-29.413 ; R248.1@-191.121,-110.973 -188.57,-110.973 ; R245.1@-191.121,-108.433 -187.728,-108.433 ; R242.1@-191.121,-105.842 -187.754,-105.842 ; R239.1@-191.121,-103.302 -187.754,-103.302 ; R220.1@-191.121,-99.212 -187.728,-99.212 ; R217.1@-191.121,-96.622 -187.754,-96.622 ; R214.1@-191.121,-94.082 -187.754,-94.082 ; R211.1@-191.121,-91.542 -187.754,-91.542 ; R192.1@-191.121,-86.233 -187.728,-86.233 ; R189.1@-191.121,-83.642 -187.754,-83.642 ; R186.1@-191.121,-81.102 -187.754,-81.102 ; R183.1@-191.121,-78.562 -187.754,-78.562 ; -187.728,-7.214 -187.678,-7.264 ; -164.414,-8.822 -153.306,-8.822 -153.154,-8.975 v1(-153.154,-10.249) ; -158.674,-8.852 -158.666,-8.859 v1(-158.666,-10.249) ; -128.027,-36.705 R39.2@-128.027,-32.182 ; -119.71,-55.804 -119.558,-55.956 -117.5,-55.956 -116.8,-55.256 R18.2@-116.8,-53.25 ; R288.1@-96.037,-50.343 R285.1@-93.497,-50.343 R282.1@-90.957,-50.343 R279.1@-88.417,-50.343 -88.417,-53.657